# Altium PCB WX0.000.863拼板.PcbDoc (part 14 of 15)
Units mm, origin at the board's own origin, x right, y up, seen from the top; angles counter-clockwise.
Board outline 150.37 x 286.89 mm, 2 copper layers (Top Layer, Bottom Layer); 840 components, 0 nets, 2516 pads, 1604 vias.
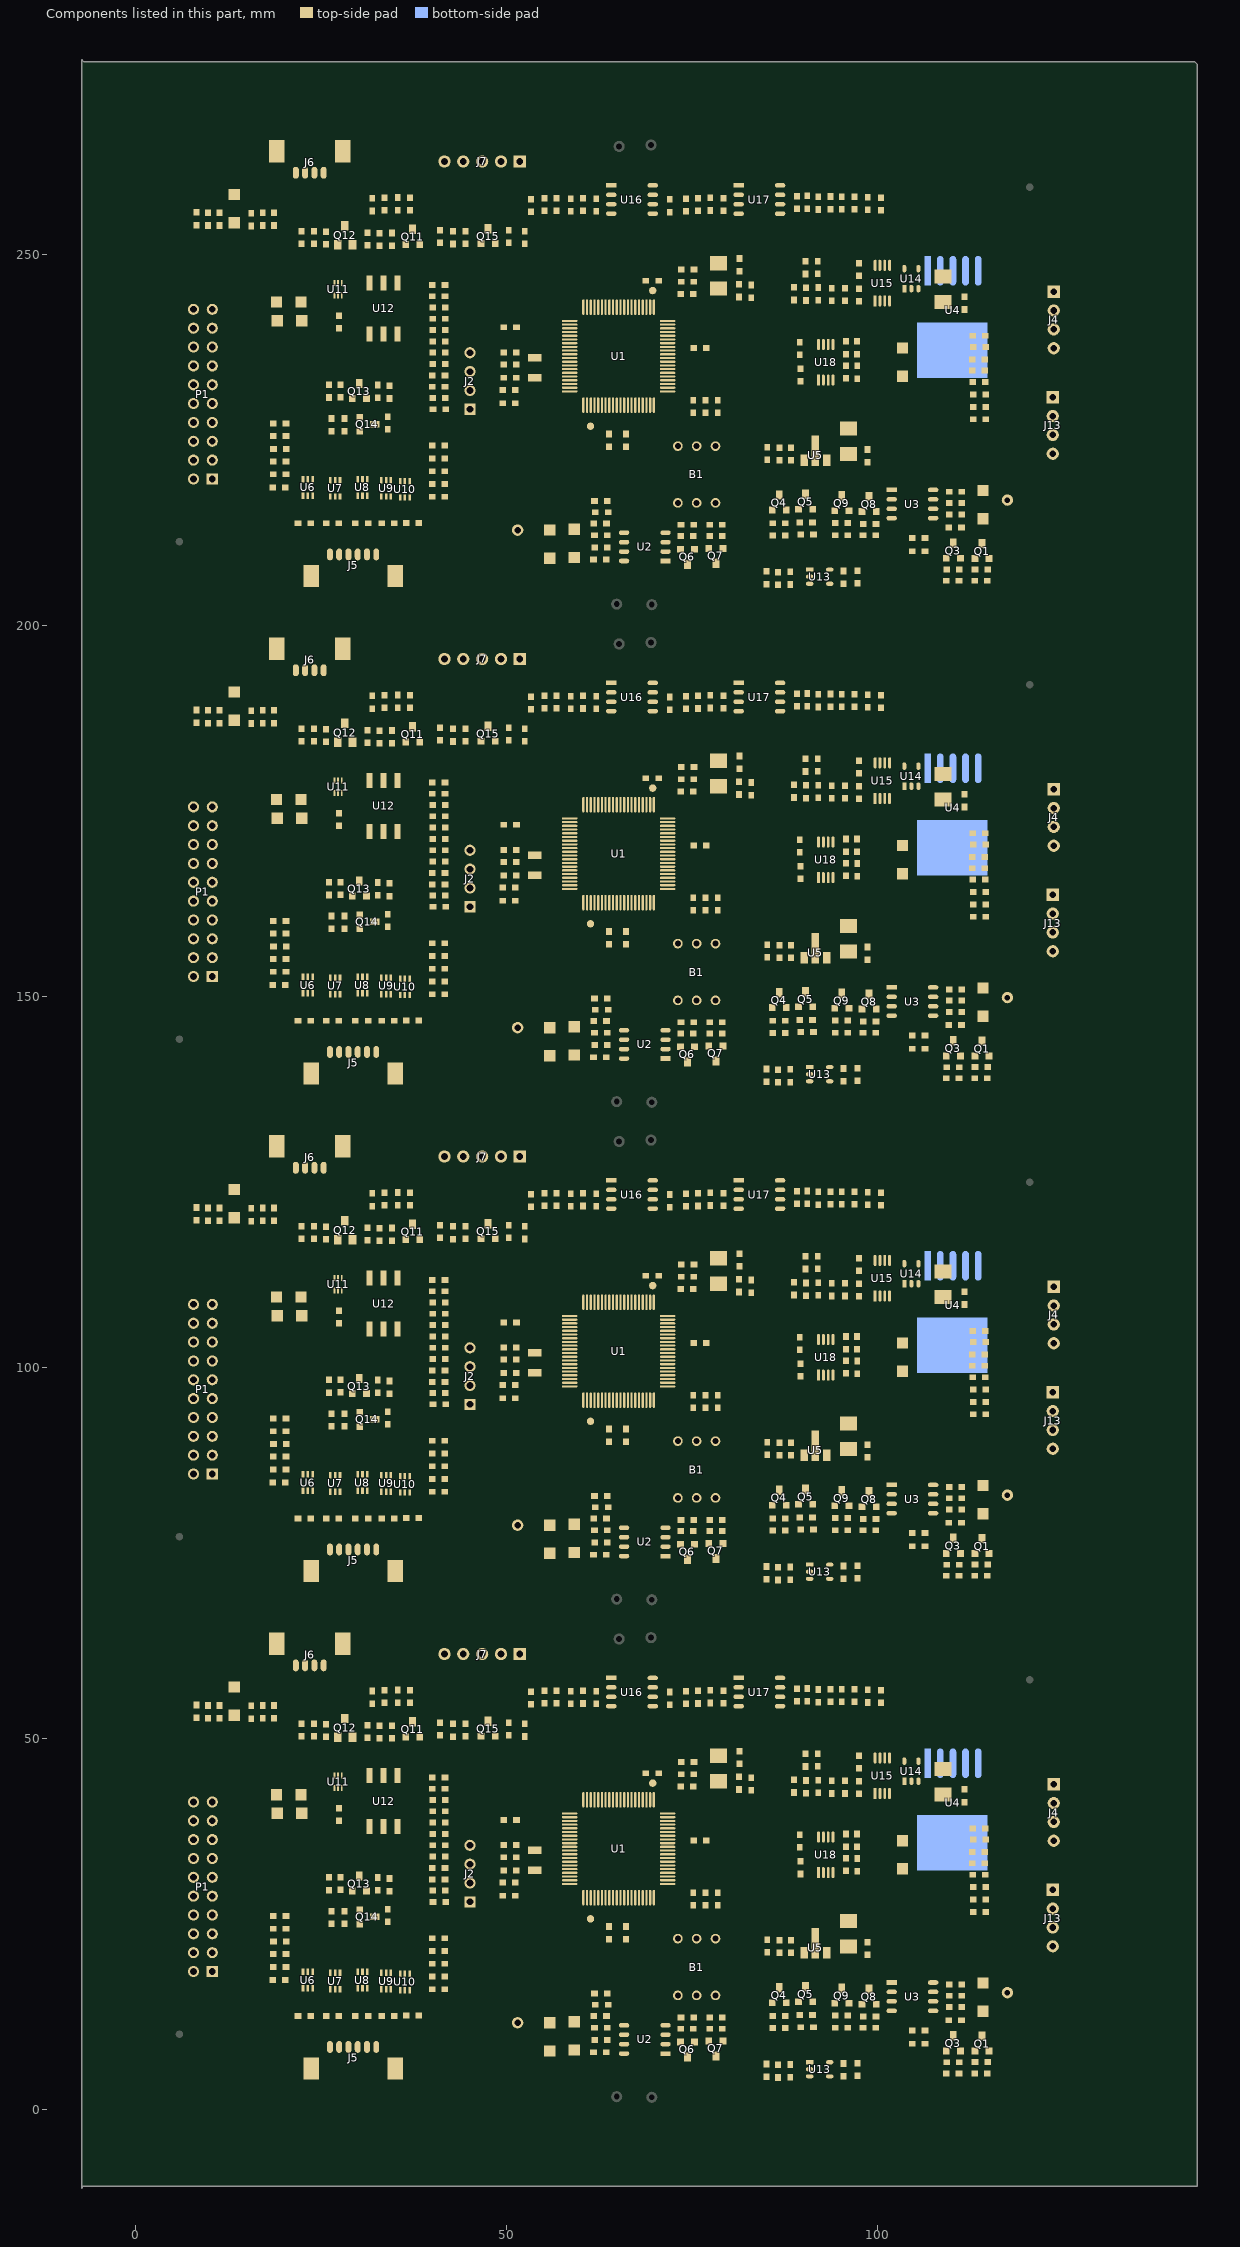
[diagram p14: the components of this part, seen from the top]

## Via types
v1: diameter 0.635, hole 0.381, Top Layer to Bottom Layer, tented both sides, 1604 vias

## Nets (pads, with @x,y where several pads share a name; then routed paths per layer and width w, separated by ;. In a path a pad name is that pad's centre, name@x,y a point inside that pad or via, vN(x,y) a via of type N, cw(c..) or ccw(c..) an arc to the next point about the centre after c; other vN are vias at no path point) (continued)
copper on no net: (continued)
  Bottom Layer w0.203: v1@77.013,108.509 cw(c77.382,108.14) 77.382,108.661 cw(c77.382,109.182) v1@77.013,108.814 ; v1@77.013,175.565 cw(c77.382,175.196) 77.382,175.717 cw(c77.382,176.238) v1@77.013,175.87 ; v1@77.013,242.621 cw(c77.382,242.252) 77.382,242.773 cw(c77.382,243.294) v1@77.013,242.926 ; v1@78.194,42.113 cw(c77.673,42.113) 78.041,41.745 cw(c78.41,41.376) v1@78.41,41.897 ; v1@78.194,109.169 cw(c77.673,109.169) 78.041,108.801 cw(c78.41,108.432) v1@78.41,108.953 ; v1@78.194,176.225 cw(c77.673,176.225) 78.041,175.857 cw(c78.41,175.488) v1@78.41,176.009 ; v1@78.194,243.281 cw(c77.673,243.281) 78.041,242.913 cw(c78.41,242.544) v1@78.41,243.065 ; v1@85.217,56.134 ccw(c84.664,56.687) 85.446,56.687 ; v1@85.217,123.19 ccw(c84.664,123.743) 85.446,123.743 ; v1@85.217,190.246 ccw(c84.664,190.799) 85.446,190.799 ; v1@85.217,257.302 ccw(c84.664,257.855) 85.446,257.855 ; v1@85.344,57.759 cw(c85.098,57.513) 85.446,57.513 ; v1@85.344,124.815 cw(c85.098,124.569) 85.446,124.569 ; v1@85.344,191.871 cw(c85.098,191.625) 85.446,191.625 ; v1@85.344,258.927 cw(c85.098,258.681) 85.446,258.681 ; v1(85.369,55.982) 85.446,56.058 85.446,57.912 v1(85.496,57.912) ; v1(85.369,123.038) 85.446,123.114 85.446,124.968 v1(85.496,124.968) ; v1(85.369,190.094) 85.446,190.17 85.446,192.024 v1(85.496,192.024) ; v1(85.369,257.15) 85.446,257.226 85.446,259.08 v1(85.496,259.08) ; 85.446,56.319 ccw(c85.707,56.319) v1@85.522,56.134 ; 85.446,57.268 cw(c86.14,57.268) v1@85.649,57.759 ; 85.446,123.375 ccw(c85.707,123.375) v1@85.522,123.19 ; 85.446,124.324 cw(c86.14,124.324) v1@85.649,124.815 ; 85.446,190.431 ccw(c85.707,190.431) v1@85.522,190.246 ; 85.446,191.38 cw(c86.14,191.38) v1@85.649,191.871 ; 85.446,257.487 ccw(c85.707,257.487) v1@85.522,257.302 ; 85.446,258.436 cw(c86.14,258.436) v1@85.649,258.927 ; v1(89.408,48.59) 89.459,48.641 89.51,48.59 v1(93.243,48.59) ; v1(89.408,115.646) 89.459,115.697 89.51,115.646 v1(93.243,115.646) ; v1(89.408,182.702) 89.459,182.753 89.51,182.702 v1(93.243,182.702) ; v1(89.408,249.758) 89.459,249.809 89.51,249.758 v1(93.243,249.758) ; v1@89.561,48.438 cw(c89.929,48.069) 89.929,48.59 cw(c89.929,49.111) v1@89.561,48.743 ; v1@89.561,115.494 cw(c89.929,115.125) 89.929,115.646 cw(c89.929,116.167) v1@89.561,115.799 ; v1@89.561,182.55 cw(c89.929,182.181) 89.929,182.702 cw(c89.929,183.223) v1@89.561,182.855 ; v1@89.561,249.606 cw(c89.929,249.237) 89.929,249.758 cw(c89.929,250.279) v1@89.561,249.911 ; v1@93.091,48.438 ccw(c92.722,48.069) 92.722,48.59 ccw(c92.722,49.111) v1@93.091,48.743 ; v1@93.091,115.494 ccw(c92.722,115.125) 92.722,115.646 ccw(c92.722,116.167) v1@93.091,115.799 ; v1@93.091,182.55 ccw(c92.722,182.181) 92.722,182.702 ccw(c92.722,183.223) v1@93.091,182.855 ; v1@93.091,249.606 ccw(c92.722,249.237) 92.722,249.758 ccw(c92.722,250.279) v1@93.091,249.911 ; v1(94.767,41.478) 94.767,41.453 94.844,41.377 96.495,41.377 96.622,41.504 v1(96.774,41.504) ; v1(94.767,108.534) 94.767,108.509 94.844,108.433 96.495,108.433 96.622,108.56 v1(96.774,108.56) ; v1(94.767,175.59) 94.767,175.565 94.844,175.489 96.495,175.489 96.622,175.616 v1(96.774,175.616) ; v1(94.767,242.646) 94.767,242.621 94.844,242.545 96.495,242.545 96.622,242.672 v1(96.774,242.672) ; v1@94.92,41.631 ccw(c95.534,42.245) 95.534,41.377 ; v1@94.92,108.687 ccw(c95.534,109.301) 95.534,108.433 ; v1@94.92,175.743 ccw(c95.534,176.357) 95.534,175.489 ; v1@94.92,242.799 ccw(c95.534,243.413) 95.534,242.545 ; 95.946,41.377 ccw(c95.946,42.331) v1@96.621,41.656 ; 95.946,108.433 ccw(c95.946,109.387) v1@96.621,108.712 ; 95.946,175.489 ccw(c95.946,176.443) v1@96.621,175.768 ; 95.946,242.545 ccw(c95.946,243.499) v1@96.621,242.824 ; 96.437,41.377 ccw(c96.437,41.841) v1@96.765,41.513 ; 96.437,108.433 ccw(c96.437,108.897) v1@96.765,108.569 ; 96.437,175.489 ccw(c96.437,175.953) v1@96.765,175.625 ; 96.437,242.545 ccw(c96.437,243.009) v1@96.765,242.681 ; v1(96.52,30.886) 98.146,30.886 v1(98.247,30.988) ; v1(96.52,97.942) 98.146,97.942 v1(98.247,98.044) ; v1(96.52,164.998) 98.146,164.998 v1(98.247,165.1) ; v1(96.52,232.054) 98.146,232.054 v1(98.247,232.156) ; v1@96.673,30.734 cw(c97.041,30.365) 97.041,30.886 cw(c97.041,31.408) v1@96.673,31.039 ; v1@96.673,97.79 cw(c97.041,97.421) 97.041,97.942 cw(c97.041,98.464) v1@96.673,98.095 ; v1@96.673,164.846 cw(c97.041,164.477) 97.041,164.998 cw(c97.041,165.52) v1@96.673,165.151 ; v1@96.673,231.902 cw(c97.041,231.533) 97.041,232.054 cw(c97.041,232.576) v1@96.673,232.207 ; 97.481,30.886 ccw(c97.481,31.755) v1@98.095,31.141 ; 97.481,97.942 ccw(c97.481,98.811) v1@98.095,98.197 ; 97.481,164.998 ccw(c97.481,165.867) v1@98.095,165.253 ; 97.481,232.054 ccw(c97.481,232.923) v1@98.095,232.309 ; v1(99.466,38.1) 99.466,38.245 100.16,38.938 100.16,44.29 v1(100.076,44.374) ; v1(99.466,105.156) 99.466,105.301 100.16,105.994 100.16,111.346 v1(100.076,111.43) ; v1(99.466,172.212) 99.466,172.357 100.16,173.05 100.16,178.402 v1(100.076,178.486) ; v1(99.466,239.268) 99.466,239.413 100.16,240.106 100.16,245.458 v1(100.076,245.542) ; v1@99.682,38.1 cw(c100.553,38.1) 99.937,38.716 ; v1@99.682,105.156 cw(c100.553,105.156) 99.937,105.772 ; v1@99.682,172.212 cw(c100.553,172.212) 99.937,172.828 ; v1@99.682,239.268 cw(c100.553,239.268) 99.937,239.884 ; v1@99.923,44.221 cw(c99.352,43.65) 100.16,43.65 ; v1@99.923,111.277 cw(c99.352,110.706) 100.16,110.706 ; v1@99.923,178.333 cw(c99.352,177.762) 100.16,177.762 ; v1@99.923,245.389 cw(c99.352,244.818) 100.16,244.818 ; 100.16,44.055 cw(c100.395,44.055) v1@100.229,44.221 ; 100.16,111.111 cw(c100.395,111.111) v1@100.229,111.277 ; 100.16,178.167 cw(c100.395,178.167) v1@100.229,178.333 ; 100.16,245.223 cw(c100.395,245.223) v1@100.229,245.389 ; v1@100.177,38.075 ccw(c99.809,38.443) 100.33,38.443 ccw(c100.851,38.443) v1@100.483,38.075 ; v1@100.177,105.131 ccw(c99.809,105.499) 100.33,105.499 ccw(c100.851,105.499) v1@100.483,105.131 ; v1@100.177,172.187 ccw(c99.809,172.555) 100.33,172.555 ccw(c100.851,172.555) v1@100.483,172.187 ; v1@100.177,239.243 ccw(c99.809,239.611) 100.33,239.611 ccw(c100.851,239.611) v1@100.483,239.243 ; v1(100.33,37.922) 100.33,38.453 100.561,38.684 100.561,43.589 100.99,44.018 100.99,44.044 v1(100.965,44.069) ; v1(100.33,104.978) 100.33,105.509 100.561,105.74 100.561,110.645 100.99,111.074 100.99,111.1 v1(100.965,111.125) ; v1(100.33,172.034) 100.33,172.565 100.561,172.796 100.561,177.701 100.99,178.13 100.99,178.156 v1(100.965,178.181) ; v1(100.33,239.09) 100.33,239.621 100.561,239.852 100.561,244.757 100.99,245.186 100.99,245.212 v1(100.965,245.237) ; 100.599,43.627 ccw(c100.229,43.997) v1@100.75,44.048 ; 100.599,110.683 ccw(c100.229,111.053) v1@100.75,111.104 ; 100.599,177.739 ccw(c100.229,178.109) v1@100.75,178.16 ; 100.599,244.795 ccw(c100.229,245.165) v1@100.75,245.216 ; 100.727,43.754 cw(c100.965,43.516) v1@100.965,43.853 ; 100.727,110.81 cw(c100.965,110.572) v1@100.965,110.909 ; 100.727,177.866 cw(c100.965,177.628) v1@100.965,177.965 ; 100.727,244.922 cw(c100.965,244.684) v1@100.965,245.021 ; v1(115.951,4.496) 116.51,4.496 116.815,4.191 v1(118.288,4.191) ; v1(115.951,71.552) 116.51,71.552 116.815,71.247 v1(118.288,71.247) ; v1(115.951,138.608) 116.51,138.608 116.815,138.303 v1(118.288,138.303) ; v1(115.951,205.664) 116.51,205.664 116.815,205.359 v1(118.288,205.359) ; v1@116.104,4.343 cw(c116.472,3.975) 116.472,4.496 cw(c116.472,5.017) v1@116.104,4.648 ; v1@116.104,71.399 cw(c116.472,71.031) 116.472,71.552 cw(c116.472,72.073) v1@116.104,71.704 ; v1@116.104,138.455 cw(c116.472,138.087) 116.472,138.608 cw(c116.472,139.129) v1@116.104,138.76 ; v1@116.104,205.511 cw(c116.472,205.143) 116.472,205.664 cw(c116.472,206.185) v1@116.104,205.816 ; v1@118.135,4.038 ccw(c117.767,3.67) 117.767,4.191 ccw(c117.767,4.712) v1@118.135,4.344 ; v1@118.135,71.094 ccw(c117.767,70.726) 117.767,71.247 ccw(c117.767,71.768) v1@118.135,71.4 ; v1@118.135,138.15 ccw(c117.767,137.782) 117.767,138.303 ccw(c117.767,138.824) v1@118.135,138.456 ; v1@118.135,205.206 ccw(c117.767,204.838) 117.767,205.359 ccw(c117.767,205.88) v1@118.135,205.512 ; 23.216,45.974 cw(c23.444,45.974) 23.327,46.17 ccw(c23.444,45.974) 23.216,45.974 ; 23.216,45.974 ccw(c22.987,45.974) 23.105,46.17 cw(c22.987,45.974) 23.216,45.974 ; 23.216,113.03 cw(c23.444,113.03) 23.327,113.226 ccw(c23.444,113.03) 23.216,113.03 ; 23.216,113.03 ccw(c22.987,113.03) 23.105,113.226 cw(c22.987,113.03) 23.216,113.03 ; 23.216,180.086 cw(c23.444,180.086) 23.327,180.282 ccw(c23.444,180.086) 23.216,180.086 ; 23.216,180.086 ccw(c22.987,180.086) 23.105,180.282 cw(c22.987,180.086) 23.216,180.086 ; 23.216,247.142 cw(c23.444,247.142) 23.327,247.338 ccw(c23.444,247.142) 23.216,247.142 ; 23.216,247.142 ccw(c22.987,247.142) 23.105,247.338 cw(c22.987,247.142) 23.216,247.142 ; 28.804,37.135 28.804,41.351 ; 28.804,104.191 28.804,108.407 ; 28.804,171.247 28.804,175.463 ; 28.804,238.303 28.804,242.519 ; v1@56.985,36.919 56.947,36.881 v1(56.947,36.957) v1@56.985,36.919 ; v1@56.985,103.975 56.947,103.937 v1(56.947,104.013) v1@56.985,103.975 ; v1@56.985,171.031 56.947,170.993 v1(56.947,171.069) v1@56.985,171.031 ; v1@56.985,238.087 56.947,238.049 v1(56.947,238.125) v1@56.985,238.087
  Bottom Layer w0.254: 7.2,21.089 ccw(c5.696,21.089) 6.76,22.152 ccw(c7.823,23.216) 7.823,21.712 ; 7.2,88.145 ccw(c5.696,88.145) 6.76,89.208 ccw(c7.823,90.272) 7.823,88.768 ; 7.2,155.201 ccw(c5.696,155.201) 6.76,156.264 ccw(c7.823,157.328) 7.823,155.824 ; 7.2,222.257 ccw(c5.696,222.257) 6.76,223.32 ccw(c7.823,224.384) 7.823,222.88 ; 7.454,21.089 ccw(c6.563,21.089) 7.193,21.719 ccw(c7.823,22.348) 7.823,21.458 ; 7.454,88.145 ccw(c6.563,88.145) 7.193,88.775 ccw(c7.823,89.404) 7.823,88.514 ; 7.454,155.201 ccw(c6.563,155.201) 7.193,155.831 ccw(c7.823,156.46) 7.823,155.57 ; 7.454,222.257 ccw(c6.563,222.257) 7.193,222.887 ccw(c7.823,223.516) 7.823,222.626 ; 7.823,21.089 6.35,22.562 6.35,26.975 6.883,27.508 9.373,27.508 15.291,27.508 16.688,26.111 v1(17.272,26.111) ; 7.823,88.145 6.35,89.618 6.35,94.031 6.883,94.564 9.373,94.564 15.291,94.564 16.688,93.167 v1(17.272,93.167) ; 7.823,155.201 6.35,156.674 6.35,161.087 6.883,161.62 9.373,161.62 15.291,161.62 16.688,160.223 v1(17.272,160.223) ; 7.823,222.257 6.35,223.73 6.35,228.143 6.883,228.676 9.373,228.676 15.291,228.676 16.688,227.279 v1(17.272,227.279) ; v1@17.137,25.976 ccw(c16.812,25.651) 16.812,26.111 ccw(c16.812,26.571) v1@17.137,26.246 ; v1@17.137,93.032 ccw(c16.812,92.707) 16.812,93.167 ccw(c16.812,93.627) v1@17.137,93.302 ; v1@17.137,160.088 ccw(c16.812,159.763) 16.812,160.223 ccw(c16.812,160.683) v1@17.137,160.358 ; v1@17.137,227.144 ccw(c16.812,226.819) 16.812,227.279 ccw(c16.812,227.739) v1@17.137,227.414 ; v1@28.923,31.504 ccw(c28.536,31.89) 29.083,31.89 ; v1@28.923,98.56 ccw(c28.536,98.946) 29.083,98.946 ; v1@28.923,165.616 ccw(c28.536,166.002) 29.083,166.002 ; v1@28.923,232.672 ccw(c28.536,233.058) 29.083,233.058 ; v1@29.018,31.408 v1(29.058,31.369) 29.083,31.394 29.083,33.052 29.078,33.057 29.078,34.285 30.122,35.329 30.122,47.323 30.122,47.882 30.074,47.93 29.794,48.209 v1(29.794,48.057) ; v1@29.018,98.464 v1(29.058,98.425) 29.083,98.45 29.083,100.108 29.078,100.113 29.078,101.341 30.122,102.385 30.122,114.379 30.122,114.938 30.074,114.986 29.794,115.265 v1(29.794,115.113) ; v1@29.018,165.52 v1(29.058,165.481) 29.083,165.506 29.083,167.164 29.078,167.169 29.078,168.397 30.122,169.441 30.122,181.435 30.122,181.994 30.074,182.042 29.794,182.321 v1(29.794,182.169) ; v1@29.018,232.576 v1(29.058,232.537) 29.083,232.562 29.083,234.22 29.078,234.225 29.078,235.453 30.122,236.497 30.122,248.491 30.122,249.05 30.074,249.098 29.794,249.377 v1(29.794,249.225) ; 29.083,31.768 ccw(c29.456,31.768) v1@29.192,31.504 ; 29.083,98.824 ccw(c29.456,98.824) v1@29.192,98.56 ; 29.083,165.88 ccw(c29.456,165.88) v1@29.192,165.616 ; 29.083,232.936 ccw(c29.456,232.936) v1@29.192,232.672 ; v1@29.716,47.883 cw(c29.43,47.253) 30.122,47.253 ; v1@29.716,114.939 cw(c29.43,114.309) 30.122,114.309 ; v1@29.716,181.995 cw(c29.43,181.365) 30.122,181.365 ; v1@29.716,249.051 cw(c29.43,248.421) 30.122,248.421 ; v1@29.82,48.115 cw(c29.608,47.647) 30.122,47.647 ; v1@29.82,115.171 cw(c29.608,114.703) 30.122,114.703 ; v1@29.82,182.227 cw(c29.608,181.759) 30.122,181.759 ; v1@29.82,249.283 cw(c29.608,248.815) 30.122,248.815 ; v1@30.087,34.202 cw(c30.602,34.297) 30.232,34.667 ; v1@30.087,101.258 cw(c30.602,101.353) 30.232,101.723 ; v1@30.087,168.314 cw(c30.602,168.409) 30.232,168.779 ; v1@30.087,235.37 cw(c30.602,235.465) 30.232,235.835 ; v1(30.15,34.214) 30.048,34.214 30.048,34.483 30.574,35.009 ; v1(30.15,101.27) 30.048,101.27 30.048,101.539 30.574,102.065 ; v1(30.15,168.326) 30.048,168.326 30.048,168.595 30.574,169.121 ; v1(30.15,235.382) 30.048,235.382 30.048,235.651 30.574,236.177 ; v1@30.337,34.248 cw(c31.18,34.403) 30.574,35.009 ; v1@30.337,101.304 cw(c31.18,101.459) 30.574,102.065 ; v1@30.337,168.36 cw(c31.18,168.515) 30.574,169.121 ; v1@30.337,235.416 cw(c31.18,235.571) 30.574,236.177 ; 30.574,41.562 30.574,35.009 ; 30.574,108.618 30.574,102.065 ; 30.574,175.674 30.574,169.121 ; 30.574,242.73 30.574,236.177 ; 30.643,41.631 30.643,52.664 v1(30.988,53.01) ; 30.643,108.687 30.643,119.72 v1(30.988,120.066) ; 30.643,175.743 30.643,186.776 v1(30.988,187.122) ; 30.643,242.799 30.643,253.832 v1(30.988,254.178) ; v1@30.797,53.01 cw(c30.338,53.01) 30.663,52.685 cw(c30.988,52.359) v1@30.988,52.819 ; v1@30.797,120.066 cw(c30.338,120.066) 30.663,119.741 cw(c30.988,119.415) v1@30.988,119.875 ; v1@30.797,187.122 cw(c30.338,187.122) 30.663,186.797 cw(c30.988,186.471) v1@30.988,186.931 ; v1@30.797,254.178 cw(c30.338,254.178) 30.663,253.853 cw(c30.988,253.527) v1@30.988,253.987 ; v1@57.251,40.526 cw(c57.251,40.066) 57.576,40.391 cw(c57.902,40.716) v1@57.442,40.716 ; v1(57.251,40.716) 57.919,40.048 59.393,40.048 60.744,38.697 v1(60.757,38.71) ; v1@57.251,107.582 cw(c57.251,107.122) 57.576,107.447 cw(c57.902,107.772) v1@57.442,107.772 ; v1(57.251,107.772) 57.919,107.104 59.393,107.104 60.744,105.753 v1(60.757,105.766) ; v1@57.251,174.638 cw(c57.251,174.178) 57.576,174.503 cw(c57.902,174.828) v1@57.442,174.828 ; v1(57.251,174.828) 57.919,174.16 59.393,174.16 60.744,172.809 v1(60.757,172.822) ; v1@57.251,241.694 cw(c57.251,241.234) 57.576,241.559 cw(c57.902,241.884) v1@57.442,241.884 ; v1(57.251,241.884) 57.919,241.216 59.393,241.216 60.744,239.865 v1(60.757,239.878) ; v1@58.045,41.371 cw(c58.488,40.927) 58.488,41.554 ; v1@58.045,108.427 cw(c58.488,107.983) 58.488,108.61 ; v1@58.045,175.483 cw(c58.488,175.039) 58.488,175.666 ; v1@58.045,242.539 cw(c58.488,242.095) 58.488,242.722 ; v1(58.089,41.326) 58.318,41.554 v1(59.69,41.554) ; v1(58.089,108.382) 58.318,108.61 v1(59.69,108.61) ; v1(58.089,175.438) 58.318,175.666 v1(59.69,175.666) ; v1(58.089,242.494) 58.318,242.722 v1(59.69,242.722) ; v1@58.224,41.191 cw(c59.101,40.314) 59.101,41.554 ; v1@58.224,108.247 cw(c59.101,107.37) 59.101,108.61 ; v1@58.224,175.303 cw(c59.101,174.426) 59.101,175.666 ; v1@58.224,242.359 cw(c59.101,241.482) 59.101,242.722 ; v1(58.522,47.676) 58.522,44.399 v1(58.953,43.967) ; v1(58.522,114.732) 58.522,111.455 v1(58.953,111.023) ; v1(58.522,181.788) 58.522,178.511 v1(58.953,178.079) ; v1(58.522,248.844) 58.522,245.567 v1(58.953,245.135) ; v1@58.763,43.967 ccw(c58.303,43.967) 58.628,44.293 ccw(c58.953,44.618) v1@58.953,44.158 ; v1@58.763,111.023 ccw(c58.303,111.023) 58.628,111.349 ccw(c58.953,111.674) v1@58.953,111.214 ; v1@58.763,178.079 ccw(c58.303,178.079) 58.628,178.405 ccw(c58.953,178.73) v1@58.953,178.27 ; v1@58.763,245.135 ccw(c58.303,245.135) 58.628,245.461 ccw(c58.953,245.786) v1@58.953,245.326 ; v1(58.826,40.691) 59.39,40.691 60.456,39.624 ; v1(58.826,107.747) 59.39,107.747 60.456,106.68 ; v1(58.826,174.803) 59.39,174.803 60.456,173.736 ; v1(58.826,241.859) 59.39,241.859 60.456,240.792 ; v1@58.961,40.556 cw(c59.286,40.231) 59.286,40.691 cw(c59.286,41.151) v1@58.961,40.826 ; v1@58.961,107.612 cw(c59.286,107.287) 59.286,107.747 cw(c59.286,108.207) v1@58.961,107.882 ; v1@58.961,174.668 cw(c59.286,174.343) 59.286,174.803 cw(c59.286,175.263) v1@58.961,174.938 ; v1@58.961,241.724 cw(c59.286,241.399) 59.286,241.859 cw(c59.286,242.319) v1@58.961,241.994 ; v1@59.555,41.42 ccw(c59.23,41.094) 59.23,41.554 ccw(c59.23,42.014) v1@59.555,41.689 ; v1@59.555,108.476 ccw(c59.23,108.15) 59.23,108.61 ccw(c59.23,109.07) v1@59.555,108.745 ; v1@59.555,175.532 ccw(c59.23,175.206) 59.23,175.666 ccw(c59.23,176.126) v1@59.555,175.801 ; v1@59.555,242.588 ccw(c59.23,242.262) 59.23,242.722 ccw(c59.23,243.182) v1@59.555,242.857 ; 59.959,40.121 ccw(c60.884,41.046) v1@60.884,39.738 ; 59.959,107.177 ccw(c60.884,108.102) v1@60.884,106.794 ; 59.959,174.233 ccw(c60.884,175.158) v1@60.884,173.85 ; 59.959,241.289 ccw(c60.884,242.214) v1@60.884,240.906 ; 60.388,39.053 ccw(c60.757,39.421) v1@60.757,38.9 ; 60.388,106.109 ccw(c60.757,106.477) v1@60.757,105.956 ; 60.388,173.165 ccw(c60.757,173.533) v1@60.757,173.012 ; 60.388,240.221 ccw(c60.757,240.589) v1@60.757,240.068 ; 60.393,39.688 ccw(c60.884,40.179) v1@60.884,39.484 ; 60.393,106.744 ccw(c60.884,107.235) v1@60.884,106.54 ; 60.393,173.8 ccw(c60.884,174.291) v1@60.884,173.596 ; 60.393,240.856 ccw(c60.884,241.347) v1@60.884,240.652 ; 60.45,38.991 cw(c60.168,38.71) v1@60.566,38.71 ; 60.45,106.047 cw(c60.168,105.766) v1@60.566,105.766 ; 60.45,173.103 cw(c60.168,172.822) v1@60.566,172.822 ; 60.45,240.159 cw(c60.168,239.878) v1@60.566,239.878 ; v1@60.713,39.464 ccw(c60.456,39.339) 60.456,39.624 ; v1@60.713,106.52 ccw(c60.456,106.395) 60.456,106.68 ; v1@60.713,173.576 ccw(c60.456,173.451) 60.456,173.736 ; v1@60.713,240.632 ccw(c60.456,240.507) 60.456,240.792 ; v1(60.884,39.548) 60.884,39.624 60.456,39.624 ; v1(60.884,106.604) 60.884,106.68 60.456,106.68 ; v1(60.884,173.66) 60.884,173.736 60.456,173.736 ; v1(60.884,240.716) 60.884,240.792 60.456,240.792 ; v1@63.924,36.863 ccw(c63.599,37.188) 64.059,37.188 ccw(c64.519,37.188) v1@64.194,36.863 ; v1@63.924,103.919 ccw(c63.599,104.244) 64.059,104.244 ccw(c64.519,104.244) v1@64.194,103.919 ; v1@63.924,170.975 ccw(c63.599,171.3) 64.059,171.3 ccw(c64.519,171.3) v1@64.194,170.975 ; v1@63.924,238.031 ccw(c63.599,238.356) 64.059,238.356 ccw(c64.519,238.356) v1@64.194,238.031 ; v1@63.949,39.743 cw(c63.686,39.479) 64.059,39.479 ; v1@63.949,106.799 cw(c63.686,106.535) 64.059,106.535 ; v1@63.949,173.855 cw(c63.686,173.591) 64.059,173.591 ; v1@63.949,240.911 cw(c63.686,240.647) 64.059,240.647 ; v1(64.059,36.728) 64.059,39.853 v1(64.084,39.878) ; 64.059,39.357 cw(c64.605,39.357) v1@64.219,39.743 ; v1(64.059,103.784) 64.059,106.909 v1(64.084,106.934) ; 64.059,106.413 cw(c64.605,106.413) v1@64.219,106.799 ; v1(64.059,170.84) 64.059,173.965 v1(64.084,173.99) ; 64.059,173.469 cw(c64.605,173.469) v1@64.219,173.855 ; v1(64.059,237.896) 64.059,241.021 v1(64.084,241.046) ; 64.059,240.525 cw(c64.605,240.525) v1@64.219,240.911 ; v1@64.584,36.304 ccw(c64.137,36.752) 64.77,36.752 ; v1@64.584,103.36 ccw(c64.137,103.808) 64.77,103.808 ; v1@64.584,170.416 ccw(c64.137,170.864) 64.77,170.864 ; v1@64.584,237.472 ccw(c64.137,237.92) 64.77,237.92 ; v1@64.77,36.17 64.77,39.726 ; 64.77,36.507 ccw(c65.056,36.507) v1@64.854,36.304 ; 64.77,38.906 cw(c66.097,38.906) v1@65.159,39.845 ; 64.77,39.52 cw(c65.484,39.52) v1@64.979,40.025 ; v1@64.77,103.226 64.77,106.782 ; 64.77,103.563 ccw(c65.056,103.563) v1@64.854,103.36 ; 64.77,105.962 cw(c66.097,105.962) v1@65.159,106.901 ; 64.77,106.576 cw(c65.484,106.576) v1@64.979,107.081 ; v1@64.77,170.282 64.77,173.838 ; 64.77,170.619 ccw(c65.056,170.619) v1@64.854,170.416 ; 64.77,173.018 cw(c66.097,173.018) v1@65.159,173.957 ; 64.77,173.632 cw(c65.484,173.632) v1@64.979,174.137 ; v1@64.77,237.338 64.77,240.894 ; 64.77,237.675 ccw(c65.056,237.675) v1@64.854,237.472 ; 64.77,240.074 cw(c66.097,240.074) v1@65.159,241.013 ; 64.77,240.688 cw(c65.484,240.688) v1@64.979,241.193 ; v1@65.575,34.806 ccw(c65.25,35.131) 65.71,35.131 ccw(c66.17,35.131) v1@65.845,34.806 ; v1@65.575,101.862 ccw(c65.25,102.187) 65.71,102.187 ccw(c66.17,102.187) v1@65.845,101.862 ; v1@65.575,168.918 ccw(c65.25,169.243) 65.71,169.243 ccw(c66.17,169.243) v1@65.845,168.918 ; v1@65.575,235.974 ccw(c65.25,236.299) 65.71,236.299 ccw(c66.17,236.299) v1@65.845,235.974 ; 65.634,38.906 cw(c66.961,38.906) v1@66.022,39.845 ; 65.634,39.52 cw(c66.348,39.52) v1@65.843,40.025 ; 65.634,105.962 cw(c66.961,105.962) v1@66.022,106.901 ; 65.634,106.576 cw(c66.348,106.576) v1@65.843,107.081 ; 65.634,173.018 cw(c66.961,173.018) v1@66.022,173.957 ; 65.634,173.632 cw(c66.348,173.632) v1@65.843,174.137 ; 65.634,240.074 cw(c66.961,240.074) v1@66.022,241.013 ; 65.634,240.688 cw(c66.348,240.688) v1@65.843,241.193 ; v1(65.71,34.671) 65.71,35.712 65.634,35.789 65.634,39.68 65.667,39.713 65.667,39.759 v1(65.888,39.98) ; v1(65.71,101.727) 65.71,102.768 65.634,102.845 65.634,106.736 65.667,106.769 65.667,106.815 v1(65.888,107.036) ; v1(65.71,168.783) 65.71,169.824 65.634,169.901 65.634,173.792 65.667,173.825 65.667,173.871 v1(65.888,174.092) ; v1(65.71,235.839) 65.71,236.88 65.634,236.957 65.634,240.848 65.667,240.881 65.667,240.927 v1(65.888,241.148) ; v1@68.674,34.003 cw(c68.287,33.616) 68.834,33.616 ; v1@68.674,101.059 cw(c68.287,100.672) 68.834,100.672 ; v1@68.674,168.115 cw(c68.287,167.728) 68.834,167.728 ; v1@68.674,235.171 cw(c68.287,234.784) 68.834,234.784 ; v1(68.809,34.138) 68.834,34.112 68.834,33.401 69.545,32.69 v1(73.711,32.69) ; v1(68.809,101.194) 68.834,101.168 68.834,100.457 69.545,99.746 v1(73.711,99.746) ; v1(68.809,168.25) 68.834,168.224 68.834,167.513 69.545,166.802 v1(73.711,166.802) ; v1(68.809,235.306) 68.834,235.28 68.834,234.569 69.545,233.858 v1(73.711,233.858) ; 68.834,33.739 cw(c69.207,33.739) v1@68.943,34.003 ; 68.834,100.795 cw(c69.207,100.795) v1@68.943,101.059 ; 68.834,167.851 cw(c69.207,167.851) v1@68.943,168.115 ; 68.834,234.907 cw(c69.207,234.907) v1@68.943,235.171 ; v1@68.992,40.011 ccw(c69.313,40.332) 69.313,39.878 ; v1@68.992,107.067 ccw(c69.313,107.388) 69.313,106.934 ; v1@68.992,174.123 ccw(c69.313,174.444) 69.313,173.99 ; v1@68.992,241.179 ccw(c69.313,241.5) 69.313,241.046 ; v1(69.037,40.056) 69.215,39.878 71.806,39.878 72.111,40.183 73.843,40.183 74.498,39.527 ; v1(69.037,107.112) 69.215,106.934 71.806,106.934 72.111,107.239 73.843,107.239 74.498,106.583 ; v1(69.037,174.168) 69.215,173.99 71.806,173.99 72.111,174.295 73.843,174.295 74.498,173.639 ; v1(69.037,241.224) 69.215,241.046 71.806,241.046 72.111,241.351 73.843,241.351 74.498,240.695 ; v1@69.172,40.191 ccw(c69.926,40.945) 69.926,39.878 ; v1@69.172,107.247 ccw(c69.926,108.001) 69.926,106.934 ; v1@69.172,174.303 ccw(c69.926,175.057) 69.926,173.99 ; v1@69.172,241.359 ccw(c69.926,242.113) 69.926,241.046 ; v1@69.576,33.483 ccw(c70.204,34.111) 70.204,33.223 ; v1@69.576,100.539 ccw(c70.204,101.167) 70.204,100.279 ; v1@69.576,167.595 ccw(c70.204,168.223) 70.204,167.335 ; v1@69.576,234.651 ccw(c70.204,235.279) 70.204,234.391 ; v1@69.672,33.223 72.644,33.223 v1(73.533,34.112) ; v1@69.672,100.279 72.644,100.279 v1(73.533,101.168) ; v1@69.672,167.335 72.644,167.335 v1(73.533,168.224) ; v1@69.672,234.391 72.644,234.391 v1(73.533,235.28) ; v1@69.756,33.663 ccw(c70.817,34.724) 70.817,33.223 ; v1@69.756,100.719 ccw(c70.817,101.78) 70.817,100.279 ; v1@69.756,167.775 ccw(c70.817,168.836) 70.817,167.335 ; v1@69.756,234.831 ccw(c70.817,235.892) 70.817,234.391 ; v1(71.399,40.64) 74.346,40.64 74.854,41.148 74.854,42.951 75.235,43.332 78.537,43.332 79.451,42.418 v1(79.451,42.367) ; v1(71.399,107.696) 74.346,107.696 74.854,108.204 74.854,110.007 75.235,110.388 78.537,110.388 79.451,109.474 v1(79.451,109.423) ; v1(71.399,174.752) 74.346,174.752 74.854,175.26 74.854,177.063 75.235,177.444 78.537,177.444 79.451,176.53 v1(79.451,176.479) ; v1(71.399,241.808) 74.346,241.808 74.854,242.316 74.854,244.119 75.235,244.5 78.537,244.5 79.451,243.586 v1(79.451,243.535) ; v1@71.534,40.505 cw(c71.859,40.18) 71.859,40.64 cw(c71.859,41.1) v1@71.534,40.775 ; v1@71.534,107.561 cw(c71.859,107.236) 71.859,107.696 cw(c71.859,108.156) v1@71.534,107.831 ; v1@71.534,174.617 cw(c71.859,174.292) 71.859,174.752 cw(c71.859,175.212) v1@71.534,174.887 ; v1@71.534,241.673 cw(c71.859,241.348) 71.859,241.808 cw(c71.859,242.268) v1@71.534,241.943 ; v1@73.343,34.112 cw(c72.883,34.112) 73.208,33.787 cw(c73.533,33.462) v1@73.533,33.922 ; v1@73.343,101.168 cw(c72.883,101.168) 73.208,100.843 cw(c73.533,100.518) v1@73.533,100.978 ; v1@73.343,168.224 cw(c72.883,168.224) 73.208,167.899 cw(c73.533,167.574) v1@73.533,168.034 ; v1@73.343,235.28 cw(c72.883,235.28) 73.208,234.955 cw(c73.533,234.63) v1@73.533,235.09 ; v1@73.576,32.555 ccw(c73.251,32.23) 73.251,32.69 ccw(c73.251,33.15) v1@73.576,32.825 ; v1@73.576,99.611 ccw(c73.251,99.286) 73.251,99.746 ccw(c73.251,100.206) v1@73.576,99.881 ; v1@73.576,166.667 ccw(c73.251,166.342) 73.251,166.802 ccw(c73.251,167.262) v1@73.576,166.937 ; v1@73.576,233.723 ccw(c73.251,233.398) 73.251,233.858 ccw(c73.251,234.318) v1@73.576,233.993 ; v1(73.584,30.023) 74.353,30.792 74.353,33.706 74.353,34.171 v1(75.082,34.9) ; v1@73.584,30.213 ccw(c73.584,30.673) 73.909,30.348 ccw(c74.234,30.023) v1@73.774,30.023 ; v1(73.584,97.079) 74.353,97.848 74.353,100.762 74.353,101.227 v1(75.082,101.956) ; v1@73.584,97.269 ccw(c73.584,97.729) 73.909,97.404 ccw(c74.234,97.079) v1@73.774,97.079 ; v1(73.584,164.135) 74.353,164.904 74.353,167.818 74.353,168.283 v1(75.082,169.012) ; v1@73.584,164.325 ccw(c73.584,164.785) 73.909,164.46 ccw(c74.234,164.135) v1@73.774,164.135 ; v1(73.584,231.191) 74.353,231.96 74.353,234.874 74.353,235.339 v1(75.082,236.068) ; v1@73.584,231.381 ccw(c73.584,231.841) 73.909,231.516 ccw(c74.234,231.191) v1@73.774,231.191 ; 73.9,40.126 cw(c72.916,39.141) v1@74.308,39.141 ; 73.9,107.182 cw(c72.916,106.197) v1@74.308,106.197 ; 73.9,174.238 cw(c72.916,173.253) v1@74.308,173.253 ; 73.9,241.294 cw(c72.916,240.309) v1@74.308,240.309 ; 74.334,39.692 cw(c73.783,39.141) v1@74.562,39.141 ; 74.334,106.748 cw(c73.783,106.197) v1@74.562,106.197 ; 74.334,173.804 cw(c73.783,173.253) v1@74.562,173.253 ; 74.334,240.86 cw(c73.783,240.309) v1@74.562,240.309 ; v1@74.382,39.293 ccw(c74.202,39.527) 74.498,39.527 ; v1@74.382,106.349 ccw(c74.202,106.583) 74.498,106.583 ; v1@74.382,173.405 ccw(c74.202,173.639) 74.498,173.639 ; v1@74.382,240.461 ccw(c74.202,240.695) 74.498,240.695 ; v1(74.498,39.141) 74.498,39.527 ; v1(74.498,106.197) 74.498,106.583 ; v1(74.498,173.253) 74.498,173.639 ; v1(74.498,240.309) 74.498,240.695 ; v1@74.614,39.293 cw(c74.794,39.527) 74.498,39.527 ; v1@74.614,106.349 cw(c74.794,106.583) 74.498,106.583 ; v1@74.614,173.405 cw(c74.794,173.639) 74.498,173.639 ; v1@74.614,240.461 cw(c74.794,240.695) 74.498,240.695 ; v1@74.892,34.9 cw(c74.432,34.9) 74.757,34.574 cw(c75.082,34.249) v1@75.082,34.709 ; v1@74.892,101.956 cw(c74.432,101.956) 74.757,101.63 cw(c75.082,101.305) v1@75.082,101.765 ; v1@74.892,169.012 cw(c74.432,169.012) 74.757,168.686 cw(c75.082,168.361) v1@75.082,168.821 ; v1@74.892,236.068 cw(c74.432,236.068) 74.757,235.742 cw(c75.082,235.417) v1@75.082,235.877 ; 79.09,42.779 cw(c78.678,42.367) v1@79.261,42.367 ; 79.09,109.835 cw(c78.678,109.423) v1@79.261,109.423 ; 79.09,176.891 cw(c78.678,176.479) v1@79.261,176.479 ; 79.09,243.947 cw(c78.678,243.535) v1@79.261,243.535 ; 79.213,42.656 ccw(c79.451,42.895) v1@79.451,42.558 ; 79.213,109.712 ccw(c79.451,109.951) v1@79.451,109.614 ; 79.213,176.768 ccw(c79.451,177.007) v1@79.451,176.67 ; 79.213,243.824 ccw(c79.451,244.063) v1@79.451,243.726 ; v1(81.559,10.465) 81.966,10.871 v1(84.023,10.871) ; v1@81.559,10.655 ccw(c81.559,11.115) 81.885,10.79 ccw(c82.21,10.465) v1@81.75,10.465 ; v1(81.559,77.521) 81.966,77.927 v1(84.023,77.927) ; v1@81.559,77.711 ccw(c81.559,78.171) 81.885,77.846 ccw(c82.21,77.521) v1@81.75,77.521 ; v1(81.559,144.577) 81.966,144.983 v1(84.023,144.983) ; v1@81.559,144.767 ccw(c81.559,145.227) 81.885,144.902 ccw(c82.21,144.577) v1@81.75,144.577 ; v1(81.559,211.633) 81.966,212.039 v1(84.023,212.039) ; v1@81.559,211.823 ccw(c81.559,212.283) 81.885,211.958 ccw(c82.21,211.633) v1@81.75,211.633 ; v1@83.888,10.736 ccw(c83.563,10.411) 83.563,10.871 ccw(c83.563,11.331) v1@83.888,11.006 ; v1@83.888,77.792 ccw(c83.563,77.467) 83.563,77.927 ccw(c83.563,78.387) v1@83.888,78.062 ; v1@83.888,144.848 ccw(c83.563,144.523) 83.563,144.983 ccw(c83.563,145.443) v1@83.888,145.118 ; v1@83.888,211.904 ccw(c83.563,211.579) 83.563,212.039 ccw(c83.563,212.499) v1@83.888,212.174 ; v1@93.04,45.098 cw(c93.04,44.086) 93.756,44.801 ; v1@93.04,112.154 cw(c93.04,111.142) 93.756,111.857 ; v1@93.04,179.21 cw(c93.04,178.198) 93.756,178.913 ; v1@93.04,246.266 cw(c93.04,245.254) 93.756,245.969 ; v1@93.269,45.288 94.737,43.82 98.166,43.82 v1(98.679,43.307) ; v1@93.269,112.344 94.737,110.876 98.166,110.876 v1(98.679,110.363) ; v1@93.269,179.4 94.737,177.932 98.166,177.932 v1(98.679,177.419) ; v1@93.269,246.456 94.737,244.988 98.166,244.988 v1(98.679,244.475) ; v1(94.31,5.182) 95.123,5.182 97.434,7.493 v1@97.434,16.713 ; v1(94.31,72.238) 95.123,72.238 97.434,74.549 v1@97.434,83.769 ; v1(94.31,139.294) 95.123,139.294 97.434,141.605 v1@97.434,150.825 ; v1(94.31,206.35) 95.123,206.35 97.434,208.661 v1@97.434,217.881 ; v1@94.445,5.047 cw(c94.77,4.722) 94.77,5.182 cw(c94.77,5.642) v1@94.445,5.316 ; v1@94.445,72.103 cw(c94.77,71.778) 94.77,72.238 cw(c94.77,72.698) v1@94.445,72.372 